# Altium PCB PCB1.PcbDoc
Units mm, origin at the board's own origin, x right, y up, seen from the top; angles counter-clockwise.
Board outline 67 x 89 mm, 2 copper layers (Top Layer, Bottom Layer); 112 components, 42 nets, 302 pads, 420 vias.
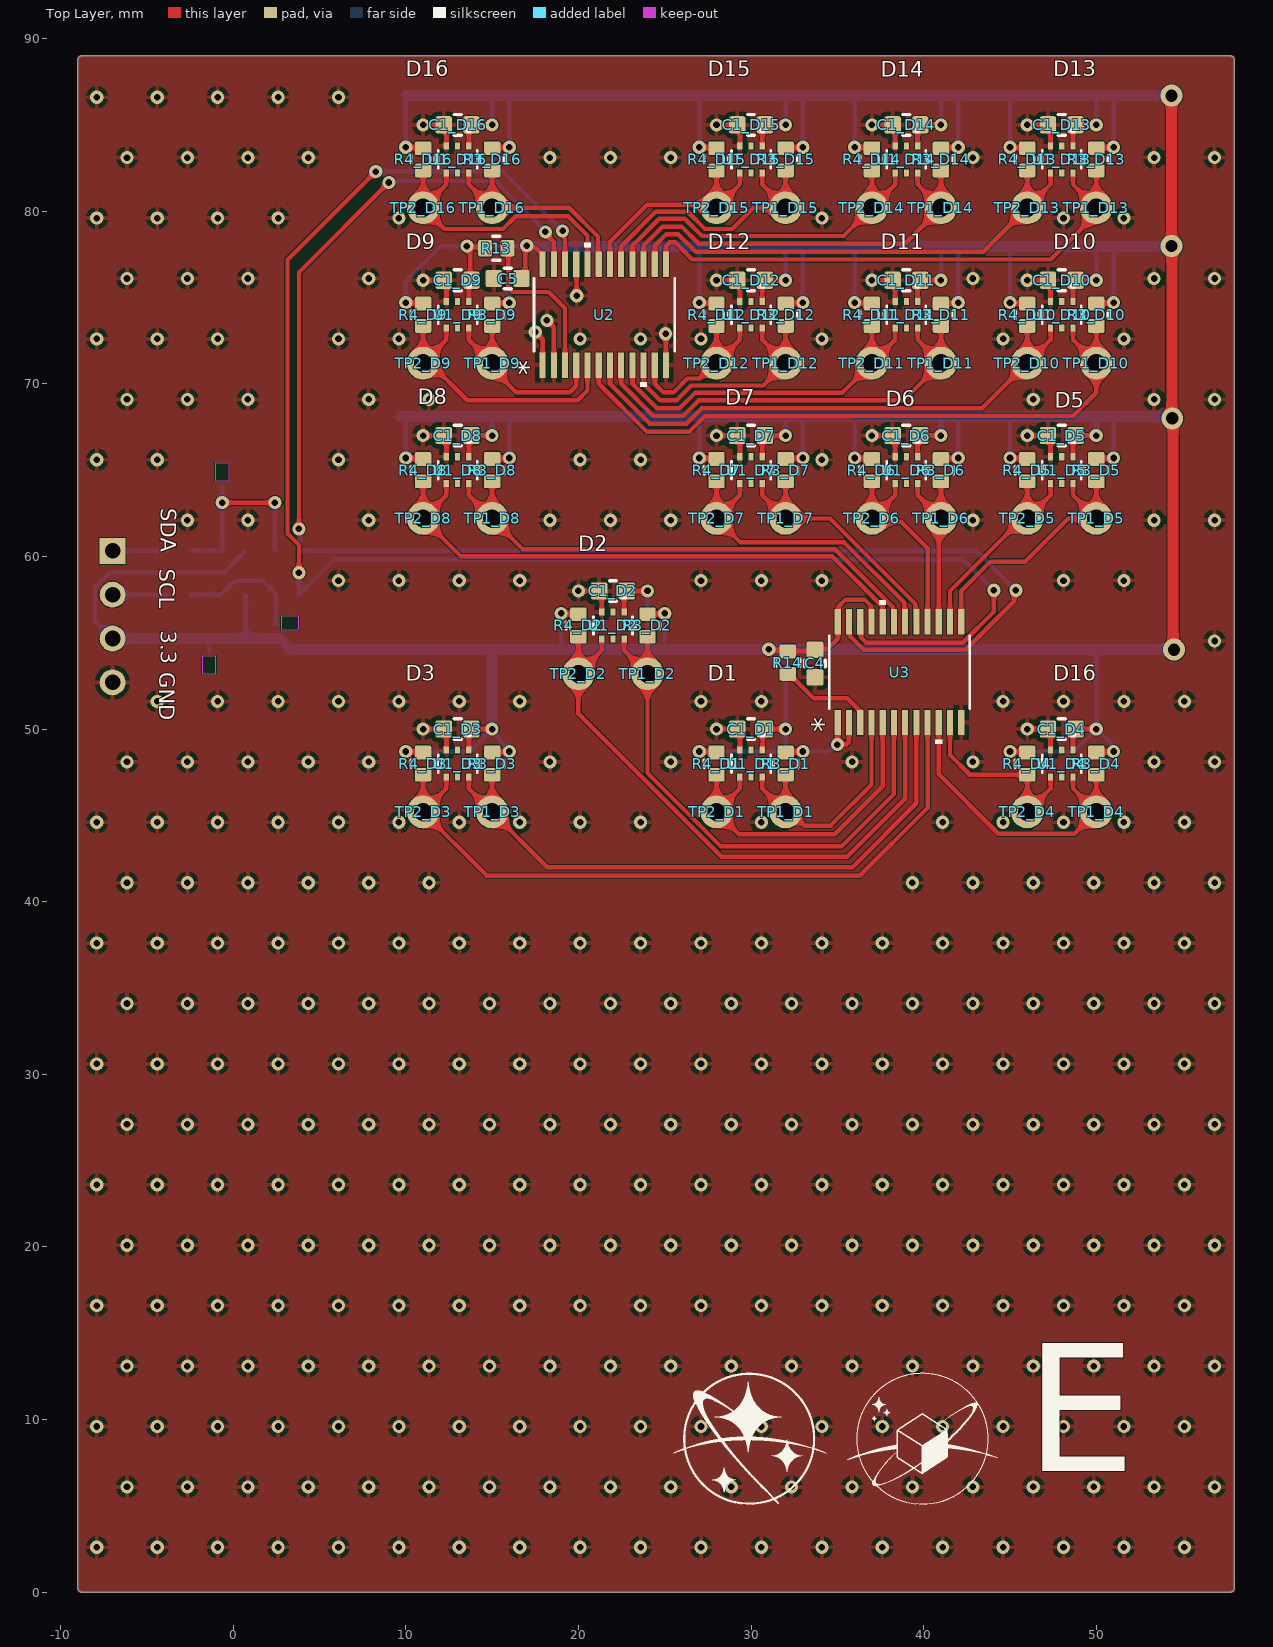
[diagram p0: Top Layer view]
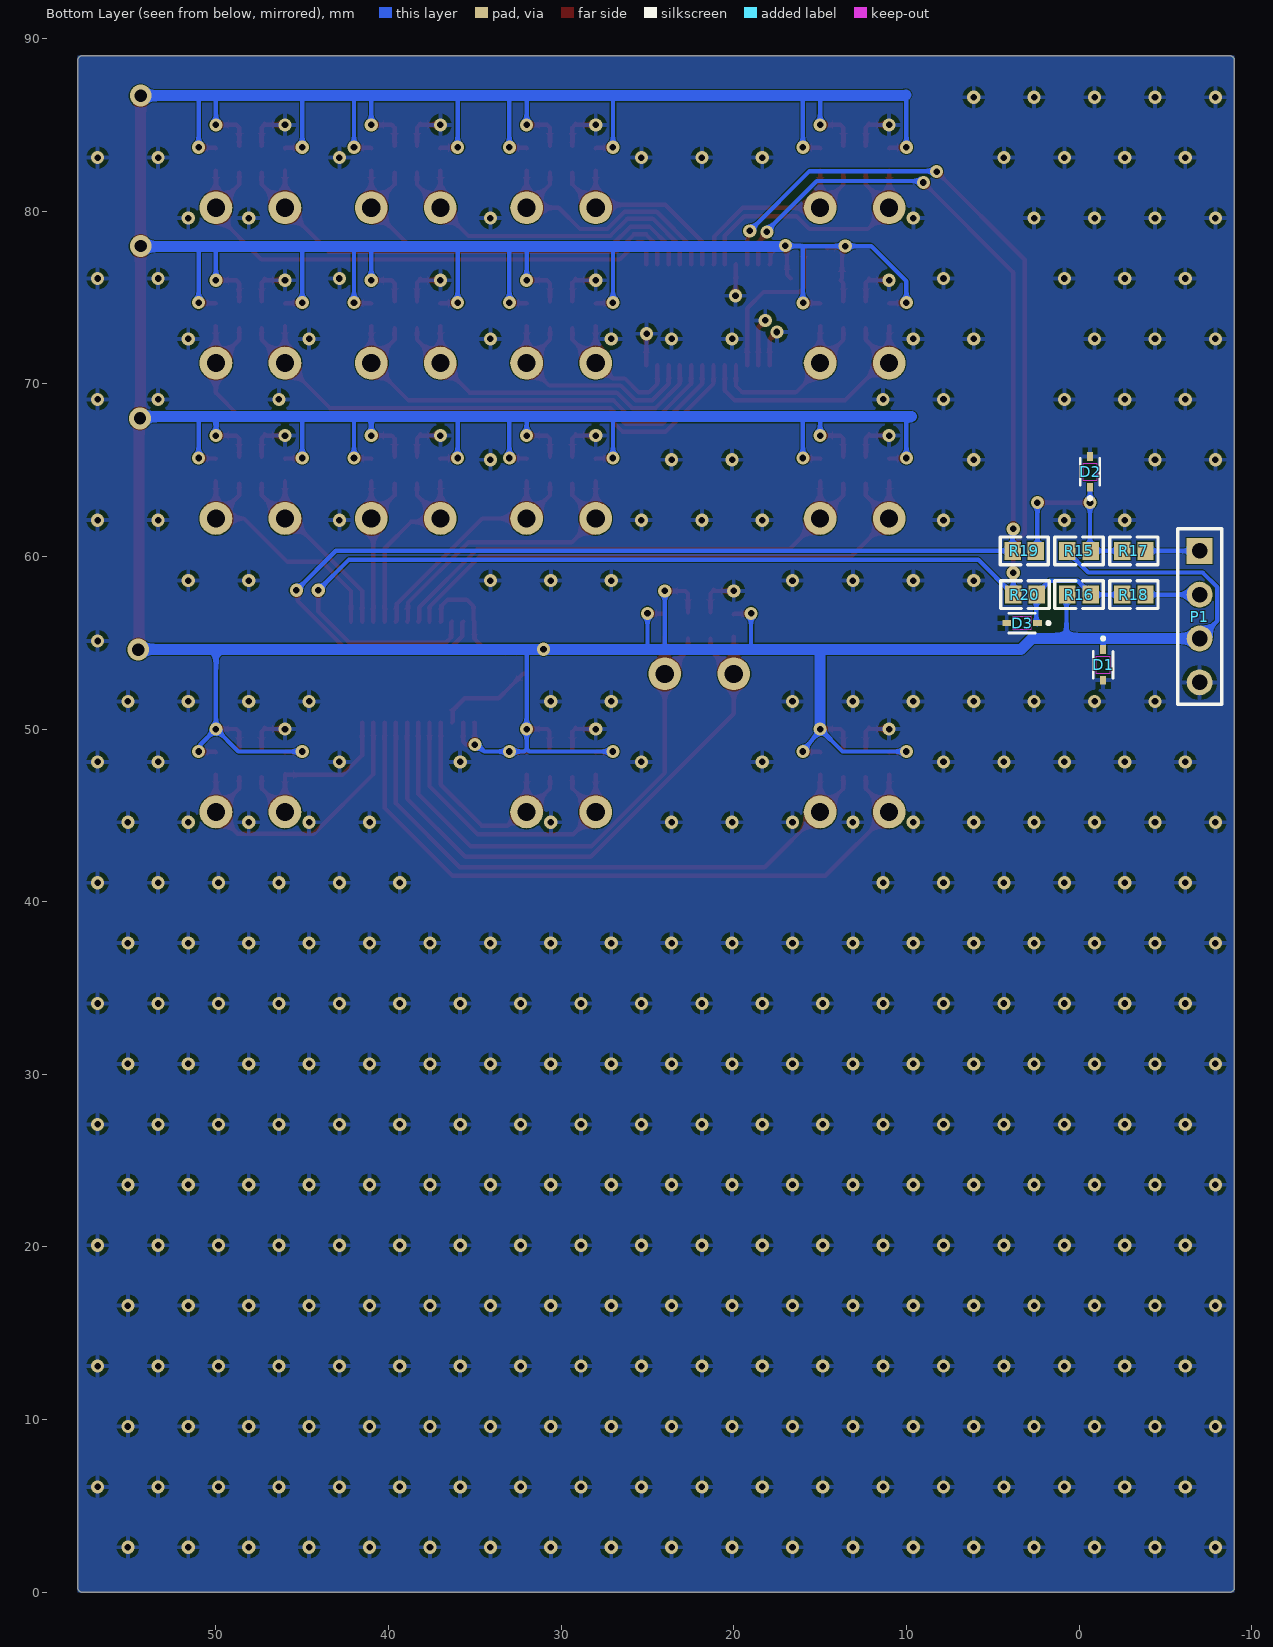
[diagram p1: Bottom Layer view, seen from below]
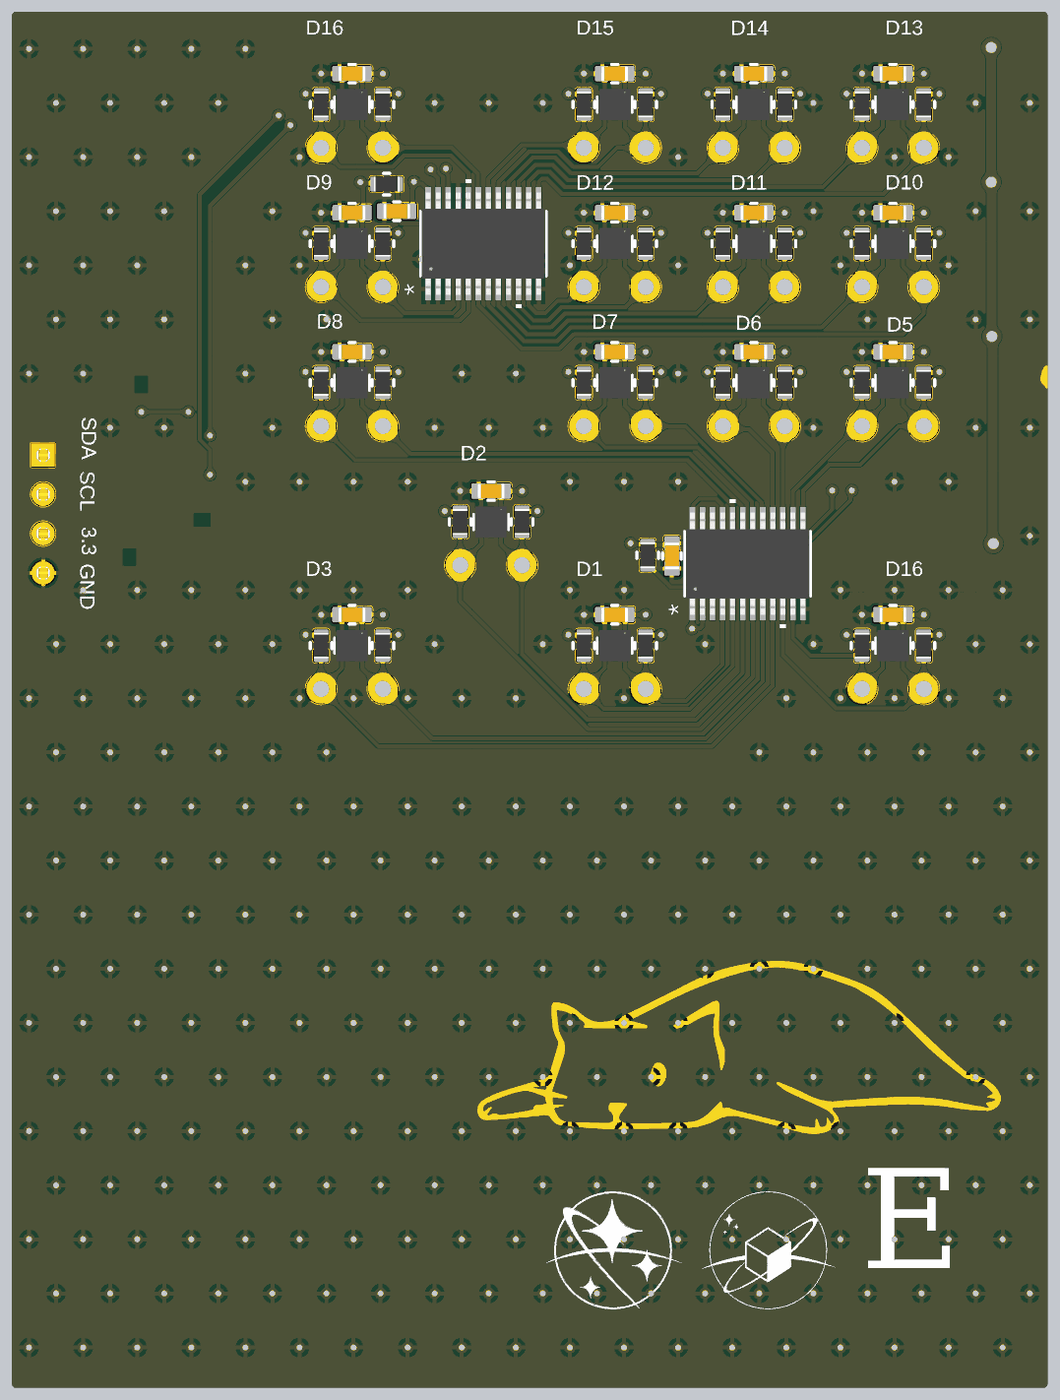
[diagram p2: 3D render of the assembled board from above, using the file's embedded part models]
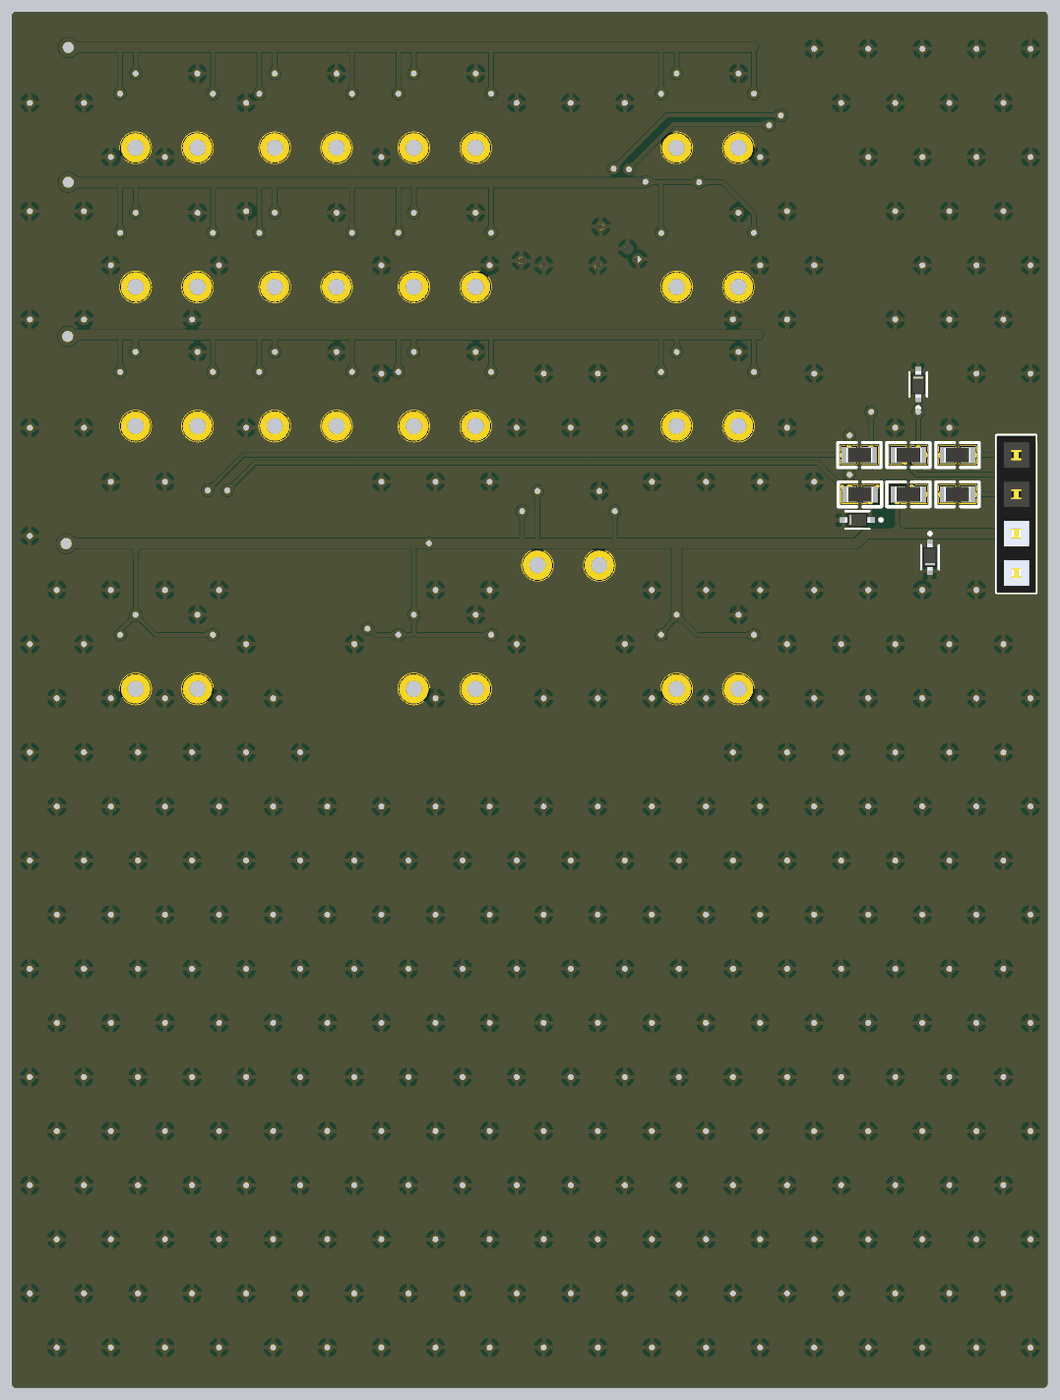
[diagram p3: 3D render of the assembled board from below, using the file's embedded part models]

## Layer stack, top to bottom
Top Solder: solder mask 0.0102, Solder Resist, Dk 3.5
Top Layer: signal copper 0.0356
Dielectric 1: dielectric 0.32, FR-4, Dk 4.8
Bottom Layer: signal copper 0.0356
Bottom Solder: solder mask 0.0102, Solder Resist, Dk 3.5

## Board outline
-9,0.254 -9,88.746 cw(c-8.746,88.746) -8.746,89 57.746,89 cw(c57.746,88.746) 58,88.746 58,0.254 cw(c57.746,0.254) 57.746,0 -8.746,0 cw(c-8.746,0.254)

## Design rules (kind name [scope] priority, off if disabled: settings)
Clearance [All] p1: gap=0.05 ignorepadtopadclearanceinfootprint=TRUE
PolygonConnect [All] p1: connectstyle=Relief reliefconductorwidth=0.254 reliefentries=4 polygonreliefangle="90 Angle" airgapwidth=0.254
RoomDefinition D1 [InComponentClass('D1')] p1: confinementstyle=ConfineIn formatcopy=TRUE lockcomponents=FALSE outline 26,44 34,44 34,52 26,52
RoomDefinition D2 [InComponentClass('D2')] p2: confinementstyle=ConfineIn formatcopy=TRUE lockcomponents=FALSE outline 18,52 26,52 26,60 18,60
RoomDefinition D3 [InComponentClass('D3')] p3: confinementstyle=ConfineIn formatcopy=TRUE lockcomponents=FALSE outline 9,44 17,44 17,52 9,52
RoomDefinition D4 [InComponentClass('D4')] p4: confinementstyle=ConfineIn formatcopy=TRUE lockcomponents=FALSE outline 44,44 52,44 52,52 44,52
RoomDefinition D5 [InComponentClass('D5')] p5: confinementstyle=ConfineIn formatcopy=TRUE lockcomponents=FALSE outline 44,61 52,61 52,69 44,69
RoomDefinition D6 [InComponentClass('D6')] p6: confinementstyle=ConfineIn formatcopy=TRUE lockcomponents=FALSE outline 35,61 43,61 43,69 35,69
RoomDefinition D7 [InComponentClass('D7')] p7: confinementstyle=ConfineIn formatcopy=TRUE lockcomponents=FALSE outline 26,61 34,61 34,69 26,69
RoomDefinition D8 [InComponentClass('D8')] p8: confinementstyle=ConfineIn formatcopy=TRUE lockcomponents=FALSE outline 9,61 17,61 17,69 9,69
RoomDefinition D9 [InComponentClass('D9')] p9: confinementstyle=ConfineIn formatcopy=TRUE lockcomponents=FALSE outline 9,70 17,70 17,78 9,78
RoomDefinition D10 [InComponentClass('D10')] p10: confinementstyle=ConfineIn formatcopy=TRUE lockcomponents=FALSE outline 44,70 52,70 52,78 44,78
RoomDefinition D11 [InComponentClass('D11')] p11: confinementstyle=ConfineIn formatcopy=TRUE lockcomponents=FALSE outline 35,70 43,70 43,78 35,78
RoomDefinition D13 [InComponentClass('D13')] p12: confinementstyle=ConfineIn formatcopy=TRUE lockcomponents=FALSE outline 44,79 52,79 52,87 44,87
RoomDefinition D14 [InComponentClass('D14')] p13: confinementstyle=ConfineIn formatcopy=TRUE lockcomponents=FALSE outline 35,79 43,79 43,87 35,87
RoomDefinition D15 [InComponentClass('D15')] p14: confinementstyle=ConfineIn formatcopy=TRUE lockcomponents=FALSE outline 26,79 34,79 34,87 26,87
RoomDefinition D16 [InComponentClass('D16')] p15: confinementstyle=ConfineIn formatcopy=TRUE lockcomponents=FALSE outline 9,79 17,79 17,87 9,87
RoomDefinition D12 [InComponentClass('D12')] p16: confinementstyle=ConfineIn formatcopy=TRUE lockcomponents=FALSE outline 26,70 34,70 34,78 26,78
RoutingVias [All] p1: holewidth=0.381 width=0.762 viastyle="Through Hole" minholewidth=0.152 minwidth=0.406 maxholewidth=2.54 maxwidth=2.54
RoutingVias RoutingVias_1 [All] p2: holewidth=0.711 width=1.27 viastyle="Through Hole" minholewidth=0.711 minwidth=1.27 maxholewidth=0.711 maxwidth=1.27
SolderMaskExpansion [All] p1: expansion=0.102 istentingtop=FALSE
Width [All] p1: maxlimit=2.54 minlimit=0.203 preferedwidth=0.254
30 further rules are at their usual default settings.

## Classes and differential pairs
component class Interface: D1 D2 D3 P1 R15 R16 R17 R18 R19 R20
channel class LED_Sensor: D1 D2 D3 D4 D5 D6 D7 D8 D9 D10 D11 D12 D13 D14 D15 D16
component class U_Sheet3: C4 C5 R13 R14 U2 U3
net class SDA[1..16]: SDA1 SDA2 SDA3 SDA4 SDA5 SDA6 SDA7 SDA8 SDA9 SDA10 SDA11 SDA12 SDA13 SDA14 SDA15 SDA16
net class SCL[1..16]: SCL1 SCL2 SCL3 SCL4 SCL5 SCL6 SCL7 SCL8 SCL9 SCL10 SCL11 SCL12 SCL13 SCL14 SCL15 SCL16
component class D16: C1_D16 R3_D16 R4_D16 TP1_D16 TP2_D16 U1_D16
component class D15: C1_D15 R3_D15 R4_D15 TP1_D15 TP2_D15 U1_D15
component class D14: C1_D14 R3_D14 R4_D14 TP1_D14 TP2_D14 U1_D14
component class D13: C1_D13 R3_D13 R4_D13 TP1_D13 TP2_D13 U1_D13
component class D12: C1_D12 R3_D12 R4_D12 TP1_D12 TP2_D12 U1_D12
component class D11: C1_D11 R3_D11 R4_D11 TP1_D11 TP2_D11 U1_D11
component class D10: C1_D10 R3_D10 R4_D10 TP1_D10 TP2_D10 U1_D10
component class D9: C1_D9 R3_D9 R4_D9 TP1_D9 TP2_D9 U1_D9
component class D8: C1_D8 R3_D8 R4_D8 TP1_D8 TP2_D8 U1_D8
component class D7: C1_D7 R3_D7 R4_D7 TP1_D7 TP2_D7 U1_D7
component class D6: C1_D6 R3_D6 R4_D6 TP1_D6 TP2_D6 U1_D6
component class D5: C1_D5 R3_D5 R4_D5 TP1_D5 TP2_D5 U1_D5
component class D4: C1_D4 R3_D4 R4_D4 TP1_D4 TP2_D4 U1_D4
component class D3: C1_D3 R3_D3 R4_D3 TP1_D3 TP2_D3 U1_D3
component class D2: C1_D2 R3_D2 R4_D2 TP1_D2 TP2_D2 U1_D2
component class D1: C1_D1 R3_D1 R4_D1 TP1_D1 TP2_D1 U1_D1

## Components (designator, comment, footprint, x,y, rotation, side; value= is the part's Value field where it differs from the comment)
C1_D1 "Capacitor" C0603B 30,50 r0 top value=1uF (schematic designator C1)
C1_D2 "Capacitor" C0603B 22,58 r0 top value=1uF (schematic designator C1)
C1_D3 "Capacitor" C0603B 13,50 r0 top value=1uF (schematic designator C1)
C1_D4 "Capacitor" C0603B 48,50 r0 top value=1uF (schematic designator C1)
C1_D5 "Capacitor" C0603B 48,67 r0 top value=1uF (schematic designator C1)
C1_D6 "Capacitor" C0603B 39,67 r0 top value=1uF (schematic designator C1)
C1_D7 "Capacitor" C0603B 30,67 r0 top value=1uF (schematic designator C1)
C1_D8 "Capacitor" C0603B 13,67 r0 top value=1uF (schematic designator C1)
C1_D9 "Capacitor" C0603B 13,76 r0 top value=1uF (schematic designator C1)
C1_D10 "Capacitor" C0603B 48,76 r0 top value=1uF (schematic designator C1)
C1_D11 "Capacitor" C0603B 39,76 r0 top value=1uF (schematic designator C1)
C1_D12 "Capacitor" C0603B 30,76 r0 top value=1uF (schematic designator C1)
C1_D13 "Capacitor" C0603B 48,85 r0 top value=1uF (schematic designator C1)
C1_D14 "Capacitor" C0603B 39,85 r0 top value=1uF (schematic designator C1)
C1_D15 "Capacitor" C0603B 30,85 r0 top value=1uF (schematic designator C1)
C1_D16 "Capacitor" C0603B 13,85 r0 top value=1uF (schematic designator C1)
C4 "Capacitor" C0603B 33.7,53.8 r90 top value=1u
C5 "Capacitor" C0603B 15.9,76.1 r0 top value=1u
D1 "STS521033B950" STS521033B950_COB -1.397,53.721 r270 bottom
D2 "STS521033B950" STS521033B950_COB -0.635,64.897 r90 bottom
D3 "STS521033B950" STS521033B950_COB 3.302,56.134 r0 bottom
P1 "Header 4" HDR1X4 -6.985,60.325 r270 bottom
R3_D1 "Resistor" R0603B 32,48 r90 top value=10k (schematic designator R3)
R3_D2 "Resistor" R0603B 24,56 r90 top value=10k (schematic designator R3)
R3_D3 "Resistor" R0603B 15,48 r90 top value=10k (schematic designator R3)
R3_D4 "Resistor" R0603B 50,48 r90 top value=10k (schematic designator R3)
R3_D5 "Resistor" R0603B 50,65 r90 top value=10k (schematic designator R3)
R3_D6 "Resistor" R0603B 41,65 r90 top value=10k (schematic designator R3)
R3_D7 "Resistor" R0603B 32,65 r90 top value=10k (schematic designator R3)
R3_D8 "Resistor" R0603B 15,65 r90 top value=10k (schematic designator R3)
R3_D9 "Resistor" R0603B 15,74 r90 top value=10k (schematic designator R3)
R3_D10 "Resistor" R0603B 50,74 r90 top value=10k (schematic designator R3)
R3_D11 "Resistor" R0603B 41,74 r90 top value=10k (schematic designator R3)
R3_D12 "Resistor" R0603B 32,74 r90 top value=10k (schematic designator R3)
R3_D13 "Resistor" R0603B 50,83 r90 top value=10k (schematic designator R3)
R3_D14 "Resistor" R0603B 41,83 r90 top value=10k (schematic designator R3)
R3_D15 "Resistor" R0603B 32,83 r90 top value=10k (schematic designator R3)
R3_D16 "Resistor" R0603B 15,83 r90 top value=10k (schematic designator R3)
R4_D1 "Resistor" R0603B 28,48 r90 top value=10k (schematic designator R4)
R4_D2 "Resistor" R0603B 20,56 r90 top value=10k (schematic designator R4)
R4_D3 "Resistor" R0603B 11,48 r90 top value=10k (schematic designator R4)
R4_D4 "Resistor" R0603B 46,48 r90 top value=10k (schematic designator R4)
R4_D5 "Resistor" R0603B 46,65 r90 top value=10k (schematic designator R4)
R4_D6 "Resistor" R0603B 37,65 r90 top value=10k (schematic designator R4)
R4_D7 "Resistor" R0603B 28,65 r90 top value=10k (schematic designator R4)
R4_D8 "Resistor" R0603B 11,65 r90 top value=10k (schematic designator R4)
R4_D9 "Resistor" R0603B 11,74 r90 top value=10k (schematic designator R4)
R4_D10 "Resistor" R0603B 46,74 r90 top value=10k (schematic designator R4)
R4_D11 "Resistor" R0603B 37,74 r90 top value=10k (schematic designator R4)
R4_D12 "Resistor" R0603B 28,74 r90 top value=10k (schematic designator R4)
R4_D13 "Resistor" R0603B 46,83 r90 top value=10k (schematic designator R4)
R4_D14 "Resistor" R0603B 37,83 r90 top value=10k (schematic designator R4)
R4_D15 "Resistor" R0603B 28,83 r90 top value=10k (schematic designator R4)
R4_D16 "Resistor" R0603B 11,83 r90 top value=10k (schematic designator R4)
R13 "Resistor" R0603B 15.24,77.851 r180 top value=1k
R14 "Resistor" R0603B 32.131,53.848 r90 top value=1k
R15 "Resistor" R0603A 0,60.325 r0 bottom value=10k
R16 "Resistor" R0603A 0,57.785 r0 bottom value=10k
R17 "Resistor" R0603A -3.175,60.325 r0 bottom value=22
R18 "Resistor" R0603A -3.175,57.785 r0 bottom value=22
R19 "Resistor" R0603A 3.175,60.325 r0 bottom value=22
R20 "Resistor" R0603A 3.135,57.785 r0 bottom value=22
TP1_D1 "Test Point" TP-TH 32,45.2 r90 top (schematic designator TP1)
TP1_D2 "Test Point" TP-TH 24,53.2 r90 top (schematic designator TP1)
TP1_D3 "Test Point" TP-TH 15,45.2 r90 top (schematic designator TP1)
TP1_D4 "Test Point" TP-TH 50,45.2 r90 top (schematic designator TP1)
TP1_D5 "Test Point" TP-TH 50,62.2 r90 top (schematic designator TP1)
TP1_D6 "Test Point" TP-TH 41,62.2 r90 top (schematic designator TP1)
TP1_D7 "Test Point" TP-TH 32,62.2 r90 top (schematic designator TP1)
TP1_D8 "Test Point" TP-TH 15,62.2 r90 top (schematic designator TP1)
TP1_D9 "Test Point" TP-TH 15,71.2 r90 top (schematic designator TP1)
TP1_D10 "Test Point" TP-TH 50,71.2 r90 top (schematic designator TP1)
TP1_D11 "Test Point" TP-TH 41,71.2 r90 top (schematic designator TP1)
TP1_D12 "Test Point" TP-TH 32,71.2 r90 top (schematic designator TP1)
TP1_D13 "Test Point" TP-TH 50,80.2 r90 top (schematic designator TP1)
TP1_D14 "Test Point" TP-TH 41,80.2 r90 top (schematic designator TP1)
TP1_D15 "Test Point" TP-TH 32,80.2 r90 top (schematic designator TP1)
TP1_D16 "Test Point" TP-TH 15,80.2 r90 top (schematic designator TP1)
TP2_D1 "Test Point" TP-TH 28,45.2 r90 top (schematic designator TP2)
TP2_D2 "Test Point" TP-TH 20,53.2 r90 top (schematic designator TP2)
TP2_D3 "Test Point" TP-TH 11,45.2 r90 top (schematic designator TP2)
TP2_D4 "Test Point" TP-TH 46,45.2 r90 top (schematic designator TP2)
TP2_D5 "Test Point" TP-TH 46,62.2 r90 top (schematic designator TP2)
TP2_D6 "Test Point" TP-TH 37,62.2 r90 top (schematic designator TP2)
TP2_D7 "Test Point" TP-TH 28,62.2 r90 top (schematic designator TP2)
TP2_D8 "Test Point" TP-TH 11,62.2 r90 top (schematic designator TP2)
TP2_D9 "Test Point" TP-TH 11,71.2 r90 top (schematic designator TP2)
TP2_D10 "Test Point" TP-TH 46,71.2 r90 top (schematic designator TP2)
TP2_D11 "Test Point" TP-TH 37,71.2 r90 top (schematic designator TP2)
TP2_D12 "Test Point" TP-TH 28,71.2 r90 top (schematic designator TP2)
TP2_D13 "Test Point" TP-TH 46,80.2 r90 top (schematic designator TP2)
TP2_D14 "Test Point" TP-TH 37,80.2 r90 top (schematic designator TP2)
TP2_D15 "Test Point" TP-TH 28,80.2 r90 top (schematic designator TP2)
TP2_D16 "Test Point" TP-TH 11,80.2 r90 top (schematic designator TP2)
U1_D1 "LTR-303ALS-01" LTR-303ALS-01_LTO 30,48 r270 top (schematic designator U1)
U1_D2 "LTR-303ALS-01" LTR-303ALS-01_LTO 22,56 r270 top (schematic designator U1)
U1_D3 "LTR-303ALS-01" LTR-303ALS-01_LTO 13,48 r270 top (schematic designator U1)
U1_D4 "LTR-303ALS-01" LTR-303ALS-01_LTO 48,48 r270 top (schematic designator U1)
U1_D5 "LTR-303ALS-01" LTR-303ALS-01_LTO 48,65 r270 top (schematic designator U1)